# Allegro board 1155001-Timing_board_V3_20241024_1805_pcb.brd (continued)
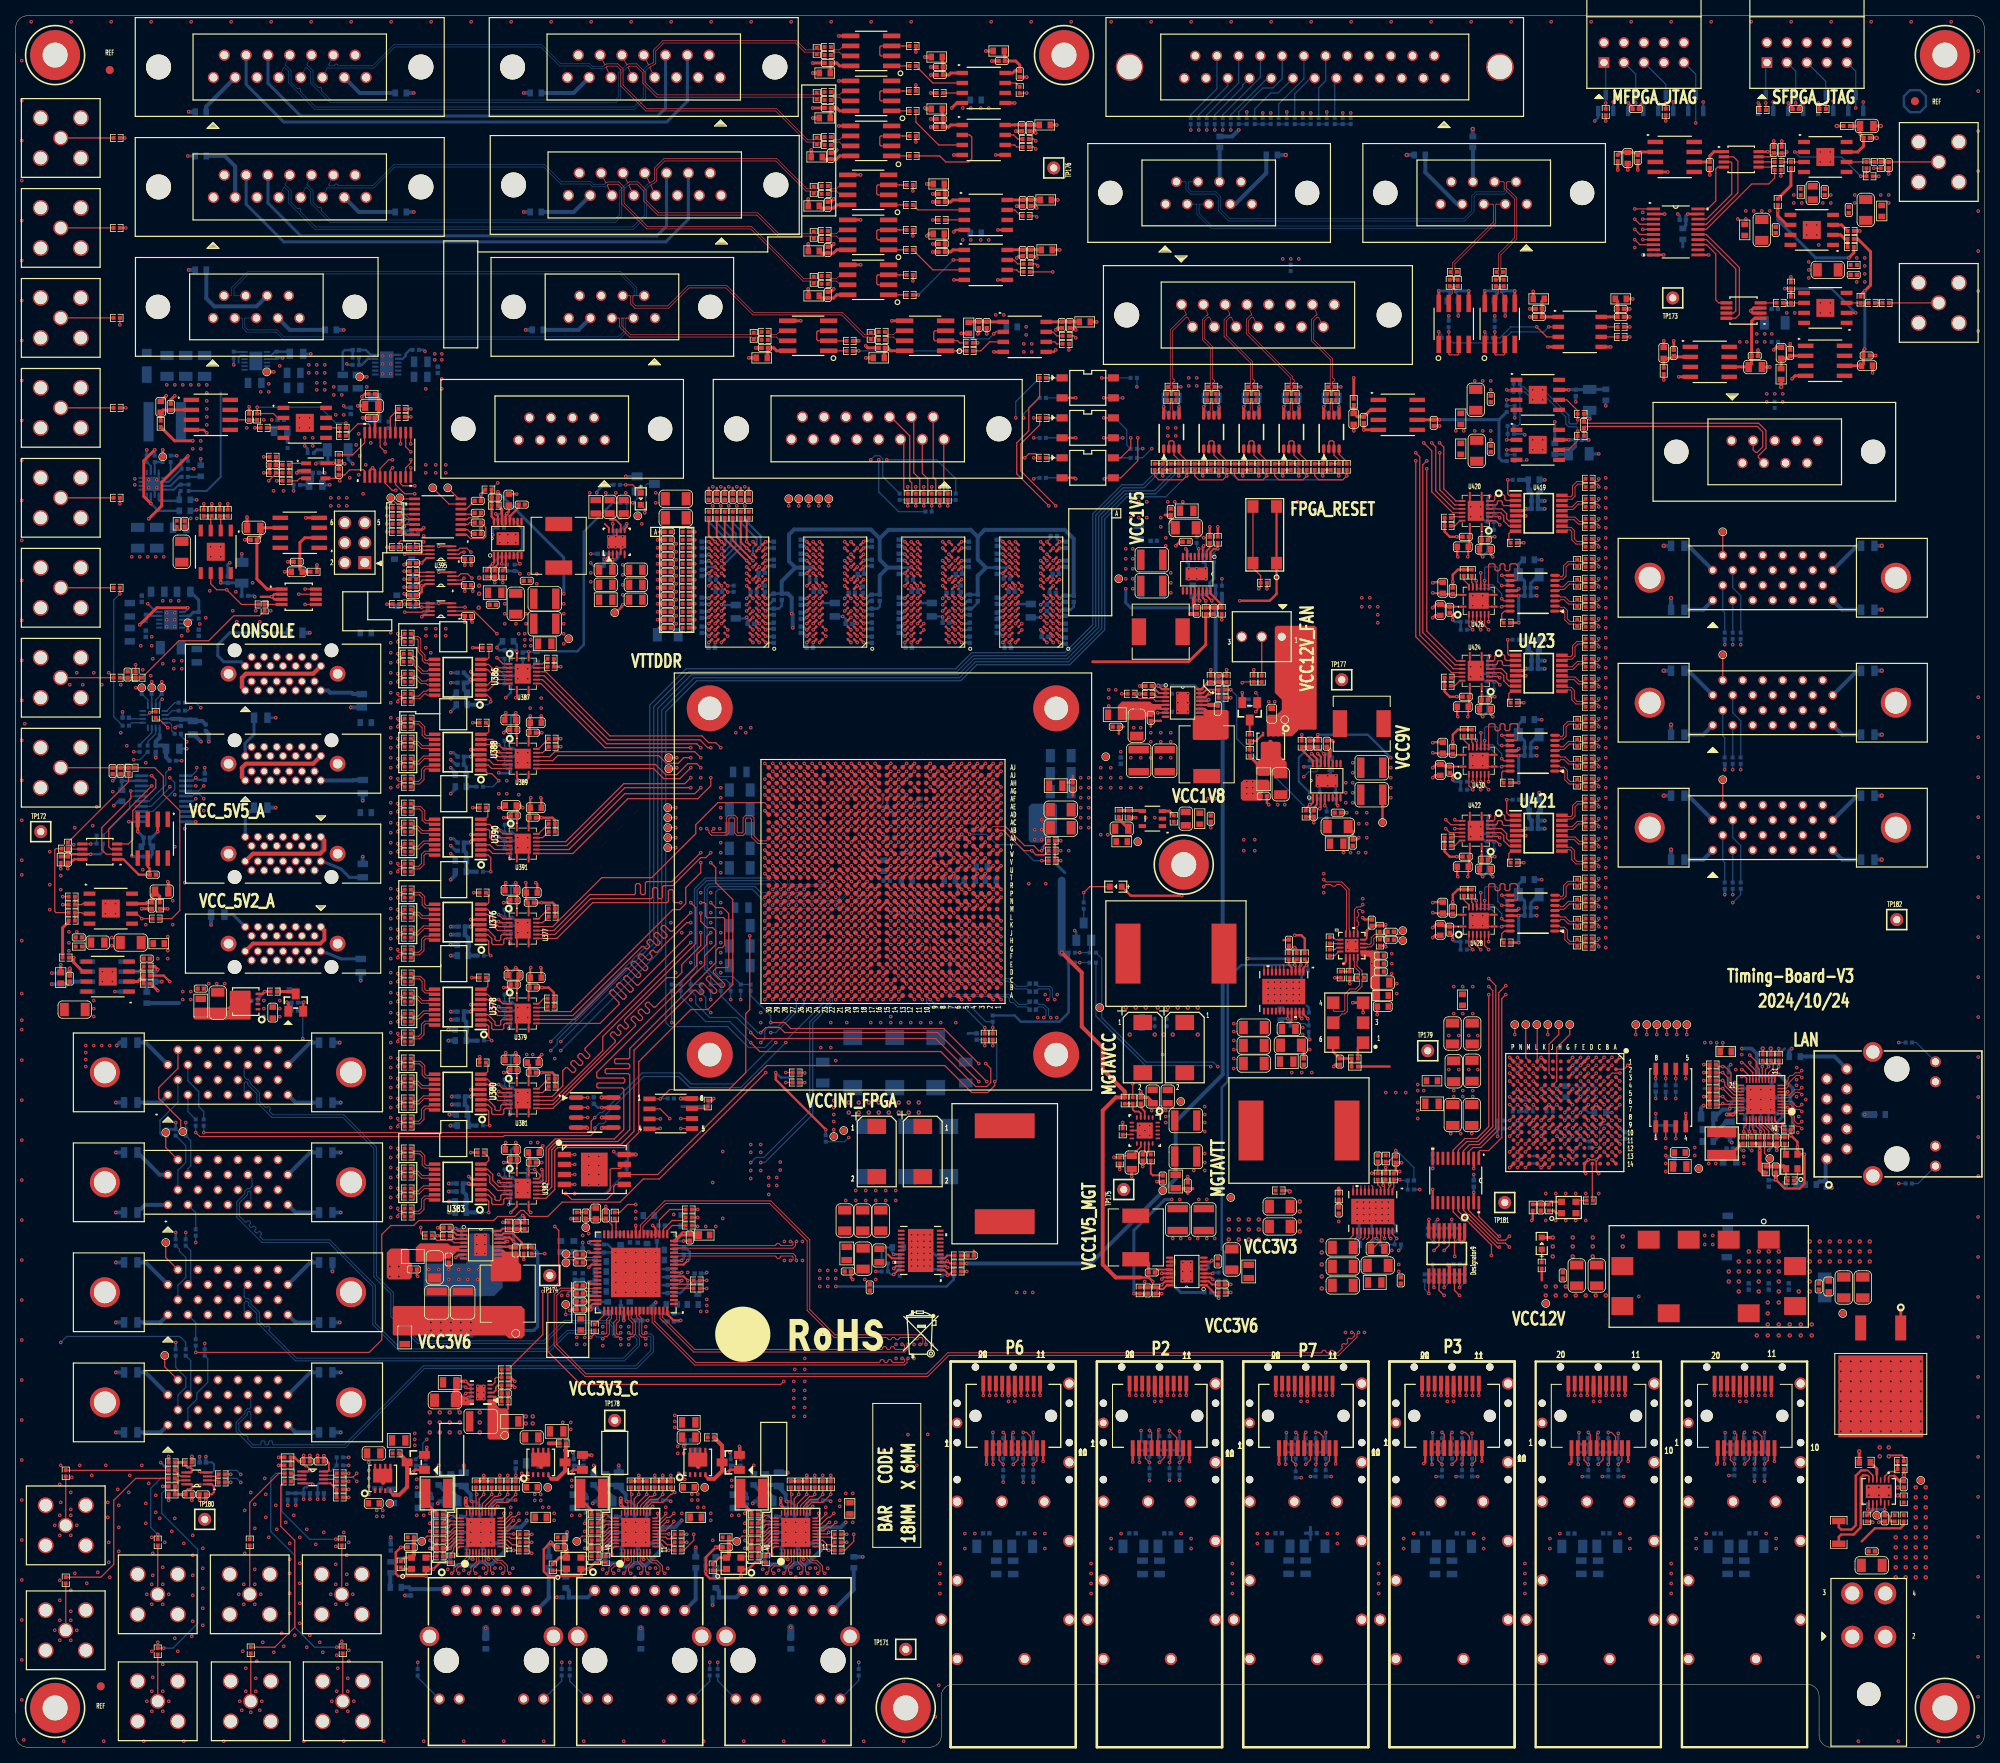
[diagram p0: board, top side]
## Routing (per net, layer and track width the routed paths; a pad name or vN(x,y) marks a point on that pad's centre or on a via; arc(x,y) is an arc through that point) (continued)
FPGA_CONFIG_CSI_B: length 267.9
  TOP w0.157: U247.V26 v1(99.14,113) ; U88.F1 v1(198.72,87.64)
  ART03 w0.102: 94.64,110.81 94.76,110.81 95,110.58 98.28,110.58 98.68,110.98 98.68,112.54 v1(99.14,113)
  ART03 w0.117: 94.64,110.81 94.48,110.81 92.76,112.53 92.76,113.64 91.9,114.5 91.9,120.32 89.46,122.76 84.82,122.76 81.89,125.69 81.89,137.04 82.67,137.83 82.67,153.41 83.26,154 83.26,155.43 86.43,158.6 134.01,158.6 137.29,155.32 144.27,155.32 144.98,154.61 156.23,154.61 156.35,154.73 156.35,157.11 156.46,157.23 156.7,157.23 156.81,157.11 156.81,154.73 156.93,154.61 157.16,154.61 157.28,154.73 157.28,157.62 157.4,157.73 169.95,157.73 170.4,157.29 170.56,157.29 171.21,157.94 171.38,157.94 171.54,157.77 171.54,157.6 170.89,156.96 170.89,156.79 171.09,156.59 171.26,156.59 172.41,157.75 172.58,157.75 172.75,157.58 172.75,157.42 171.59,156.26 171.59,156.1 171.76,155.93 171.92,155.93 173.08,157.09 173.24,157.09 173.41,156.92 173.41,156.76 172.25,155.6 172.25,155.43 172.42,155.27 172.58,155.27 173.74,156.42 173.9,156.42 174.07,156.26 174.07,156.09 172.91,154.94 172.91,154.77 177.75,149.93 177.92,149.93 179.06,151.07 179.23,151.07 179.39,150.91 179.39,150.74 178.25,149.6 178.25,149.44 178.42,149.27 178.58,149.27 179.72,150.41 179.89,150.41 180.05,150.25 180.05,150.08 178.91,148.94 178.91,148.77 179.08,148.61 179.24,148.61 180.39,149.75 180.55,149.75 180.73,149.57 180.73,149.41 180.03,148.71 180.03,148.54 182.91,145.67 188.34,145.67 188.59,145.41 189.89,145.41 190.73,144.58 192.1,144.58 195.5,141.17 195.5,94.18 198.72,90.96 v1(198.72,87.64)
FPGA_CONFIG_D0: length 278.9
  TOP w0.157: U88.B6 v1(201.72,82.64) ; v1(93.34,90.81) 94.11,90.04 116.84,90.04 v1(122.3,84.58)
  ART03 w0.117: v1(122.3,84.58) 122.94,85.22 126.24,85.22 126.92,84.53 134.15,84.53 134.34,84.34 134.34,81.52 134.46,81.41 134.63,81.41 134.75,81.52 134.75,86.88 134.87,87 135.1,87 135.22,86.88 135.22,81.52 135.34,81.41 135.58,81.41 135.7,81.52 135.7,86.88 135.82,87 136.05,87 136.17,86.88 136.17,81.52 136.28,81.41 136.52,81.41 136.63,81.52 136.63,86.88 136.75,87 136.98,87 137.1,86.88 137.1,81.52 137.22,81.41 137.45,81.41 137.57,81.52 137.57,86.88 137.71,87.02 152.6,87.02 152.72,87.14 152.72,89.04 152.84,89.15 153.07,89.15 153.19,89.04 153.19,87.14 153.31,87.02 153.54,87.02 153.66,87.14 153.66,89.29 153.77,89.41 154.01,89.41 154.12,89.29 154.12,87.14 154.24,87.02 155.12,87.02 155.23,86.9 155.23,85.94 155.35,85.83 155.58,85.83 155.7,85.94 155.7,89.9 155.82,90.02 156.05,90.02 156.17,89.9 156.17,85.94 156.28,85.83 156.52,85.83 156.63,85.94 156.63,89.9 156.75,90.02 156.98,90.02 157.1,89.9 157.1,85.94 157.22,85.83 157.45,85.83 157.57,85.94 157.57,89.9 157.69,90.02 157.92,90.02 158.04,89.9 158.04,85.94 158.15,85.83 158.39,85.83 158.5,85.94 158.5,89.9 158.62,90.02 158.85,90.02 158.97,89.9 158.97,85.94 159.09,85.83 159.32,85.83 159.44,85.94 159.44,89.9 159.55,90.02 159.79,90.02 159.91,89.9 159.91,85.94 160.02,85.83 160.26,85.83 160.37,85.94 160.37,89.9 160.49,90.02 160.72,90.02 160.84,89.9 160.84,86.55 160.96,86.44 161.19,86.44 161.31,86.55 161.31,89.9 161.42,90.02 161.66,90.02 161.77,89.9 161.77,86.86 161.89,86.74 162.14,86.74 162.26,86.86 162.26,89.49 162.37,89.61 162.61,89.61 162.72,89.49 162.72,86.86 162.84,86.74 163.07,86.74 163.19,86.86 163.19,88.76 163.31,88.87 163.54,88.87 163.66,88.76 163.66,86.86 163.78,86.74 164.06,86.74 164.17,86.86 164.17,88.07 164.29,88.19 164.52,88.19 164.64,88.07 164.64,86.86 164.76,86.74 165.31,86.74 165.43,86.62 165.43,86.45 165.54,86.33 165.78,86.33 165.9,86.45 165.9,86.9 166.01,87.02 166.25,87.02 166.36,86.9 166.36,86.22 166.48,86.11 166.71,86.11 166.83,86.22 166.83,86.9 166.95,87.02 167.68,87.02 167.83,86.88 167.83,86.12 167.94,86 168.15,86 168.29,86.15 168.29,86.88 168.41,87 168.64,87 168.76,86.88 168.76,86.12 168.88,86 169.09,86 169.23,86.15 169.23,86.88 169.34,87 169.58,87 169.7,86.88 169.7,86.12 169.81,86 170.02,86 170.16,86.15 170.16,86.88 170.28,87 170.51,87 170.63,86.88 170.63,86.12 170.75,86 170.96,86 171.1,86.15 171.1,86.88 171.21,87 171.56,87 171.67,86.88 171.67,85.89 171.79,85.78 172.02,85.78 172.14,85.89 172.14,86.88 172.26,87 172.49,87 172.61,86.88 172.61,85.16 172.73,85.04 172.96,85.04 173.08,85.16 173.08,86.88 173.19,87 173.43,87 173.54,86.88 173.54,85.16 173.66,85.04 173.89,85.04 174.01,85.16 174.01,86.88 174.13,87 174.36,87 174.48,86.88 174.48,85.16 174.6,85.04 174.83,85.04 174.95,85.16 174.95,86.88 175.06,87 175.3,87 175.41,86.88 175.41,85.16 175.53,85.04 175.76,85.04 175.88,85.16 175.88,86.88 176,87 176.23,87 176.35,86.88 176.35,85.16 176.47,85.04 176.7,85.04 176.82,85.16 176.82,86.88 176.93,87 177.17,87 177.28,86.88 177.28,85.16 177.4,85.04 177.63,85.04 177.75,85.16 177.75,86.88 177.87,87 178.05,87 178.23,86.82 178.23,85.14 178.33,85.04 178.57,85.04 178.69,85.16 178.69,85.89 178.8,86 179.04,86 179.15,85.89 179.15,85.16 179.27,85.04 180.01,85.04 180.61,84.44 185.95,84.44 189.23,81.15 197.99,81.15 199.03,82.19 201.27,82.19 v1(201.72,82.64)
  BOTTOM w0.157: R503.2 86.36,95.48 86.36,94.49 88.14,92.71 91.57,92.71 93.34,90.93 v1(93.34,90.81)
FPGA_CONFIG_D0_R: length 30.8
  TOP w0.157: U247.P24 v1(101.14,108)
  BOTTOM w0.102: 94.64,110.11 96.27,110.11 96.53,109.84 96.53,109.04 97.18,108.4 99.82,108.4 99.85,108.43 100.71,108.43 v1(101.14,108)
  BOTTOM w0.157: R504.1 R503.1 85.72,97.79 86.54,98.6 86.54,108.89 87.76,110.11 94.64,110.11
FPGA_CONFIG_D1: length 278.5
  TOP w0.157: U88.D3 v1(200.72,85.64) ; v1(93.34,89.53) 94.49,88.39 117.47,88.39 121.92,83.95 123.32,83.95 123.83,84.45 123.83,86.23 v1(123.19,86.87)
  ART03 w0.117: v1(200.72,85.64) 200.72,85.41 200.28,84.96 200.28,84.45 199.96,84.13 197.42,84.13 196.47,83.19 188.82,83.19 188.47,83.54 188.47,92.14 188.35,92.25 188.02,92.25 187.9,92.14 187.9,91.05 187.78,90.93 187.55,90.93 187.43,91.05 187.43,92.14 187.32,92.25 187.08,92.25 186.97,92.14 186.97,91.05 186.85,90.93 186.62,90.93 186.5,91.05 186.5,92.14 186.38,92.25 186.12,92.25 186,92.14 186,91.02 185.88,90.91 185.67,90.91 185.53,91.05 185.53,92.14 185.42,92.25 185.18,92.25 185.06,92.14 185.06,91.02 184.95,90.91 184.74,90.91 184.6,91.05 184.6,92.14 184.48,92.25 184.25,92.25 184.13,92.14 184.13,91.02 184.01,90.91 183.81,90.91 183.66,91.05 183.66,92.14 183.55,92.25 183.31,92.25 183.2,92.14 183.2,91 183.08,90.88 182.84,90.88 182.73,91 182.73,92.14 182.61,92.25 182.38,92.25 182.26,92.14 182.26,91.02 182.14,90.91 181.91,90.91 181.79,91.02 181.79,92.14 181.68,92.25 181.29,92.25 181.17,92.14 181.17,90.04 181.29,89.92 185.86,89.92 185.98,89.8 185.98,89.57 185.86,89.45 181.32,89.45 181.17,89.31 181.17,89.1 181.29,88.98 185.86,88.98 185.98,88.87 185.98,88.63 185.86,88.52 181.32,88.52 181.17,88.37 181.17,88.17 181.29,88.05 185.86,88.05 185.98,87.93 185.98,87.7 185.86,87.58 181.32,87.58 181.17,87.44 181.17,87.21 181.29,87.09 185.84,87.09 185.95,86.97 185.95,86.74 185.84,86.62 180.7,86.62 180.58,86.74 180.58,92.16 180.46,92.28 180.23,92.28 180.11,92.16 180.11,89.98 180,89.87 179.76,89.87 179.64,89.98 179.64,92.16 179.53,92.28 179.26,92.28 179.15,92.16 179.15,90.08 179.03,89.97 178.8,89.97 178.68,90.08 178.68,92.16 178.56,92.28 178.28,92.28 178.16,92.16 178.16,88.05 178.04,87.93 177.81,87.93 177.69,88.05 177.69,92.16 177.58,92.28 177.37,92.28 177.25,92.16 177.25,88.03 177.13,87.91 176.9,87.91 176.78,88.03 176.78,92.16 176.66,92.28 176.43,92.28 176.31,92.16 176.31,88.03 176.2,87.91 175.96,87.91 175.85,88.03 175.85,92.16 175.73,92.28 175.5,92.28 175.38,92.16 175.38,88.03 175.26,87.91 175.03,87.91 174.91,88.03 174.91,92.16 174.79,92.28 174.56,92.28 174.44,92.16 174.44,88.03 174.33,87.91 174.09,87.91 173.98,88.03 173.98,92.16 173.86,92.28 173.63,92.28 173.51,92.16 173.51,88.03 173.39,87.91 173.16,87.91 173.04,88.03 173.04,92.16 172.93,92.28 172.69,92.28 172.57,92.16 172.57,88.03 172.46,87.91 166.09,87.91 165.96,88.04 165.96,90.63 165.58,91.01 163.12,91.01 162.74,91.39 129.62,91.39 128.35,90.12 125.4,90.12 125.29,90 125.29,89.14 125.17,89.03 124.94,89.03 124.82,89.14 124.82,90 124.7,90.12 122.6,90.12 122.48,90 122.48,88.72 122.6,88.6 124.32,88.6 124.43,88.48 124.43,88.25 124.32,88.13 122.6,88.13 122.48,88.01 122.48,87.58 v1(123.19,86.87)
  BOTTOM w0.157: R505.2 84.45,95.38 87.63,92.2 90.68,92.2 v1(93.34,89.53)
FPGA_CONFIG_D1_R: length 30.4
  TOP w0.157: U247.R25 v1(100.14,109)
  BOTTOM w0.102: v1(100.14,109) 99.74,108.6 97.97,108.6 97.74,108.83 97.74,109.27 96.57,110.44 94.64,110.44
  BOTTOM w0.157: R506.1 R505.1 84.45,97.16 86.2,98.9 86.2,109.06 87.58,110.44 94.64,110.44
FPGA_CONFIG_D2: length 278.6
  TOP w0.157: v1(122.3,86.87) 117.86,91.31 98.42,91.31 97.66,92.08 v1(95.89,92.08) ; U88.C3 v1(200.72,84.65)
  ART03 w0.117: v1(122.3,86.87) 122.3,85.71 122.42,85.6 122.68,85.6 122.8,85.71 122.8,86.32 122.91,86.44 123.15,86.44 123.26,86.32 123.26,85.71 123.38,85.6 123.61,85.6 123.73,85.71 123.73,86.88 123.85,87 124.08,87 124.2,86.88 124.2,85.71 124.32,85.6 124.55,85.6 124.67,85.71 124.67,87.82 124.78,87.93 125.02,87.93 125.13,87.82 125.13,85.71 125.25,85.6 125.48,85.6 125.6,85.71 125.6,88.76 125.72,88.87 125.95,88.87 126.07,88.76 126.07,85.71 126.18,85.6 126.49,85.6 126.61,85.71 126.61,89.6 126.72,89.71 126.96,89.71 127.07,89.6 127.07,85.21 127.19,85.09 127.42,85.09 127.54,85.21 127.54,89.6 127.66,89.71 127.89,89.71 128.01,89.6 128.01,85.08 128.12,84.96 128.36,84.96 128.47,85.08 128.47,89.6 128.59,89.71 128.82,89.71 128.94,89.6 128.94,85.08 129.06,84.96 134.16,84.96 134.34,85.14 134.34,87 134.82,87.48 135.44,87.48 135.56,87.59 135.56,87.89 135.44,88.01 134.69,88.01 134.57,88.13 134.57,88.36 134.69,88.48 135.44,88.48 135.56,88.6 135.56,88.83 135.44,88.95 134.69,88.95 134.57,89.06 134.57,89.3 134.69,89.41 135.44,89.41 135.56,89.53 135.56,89.76 135.44,89.88 134.69,89.88 134.57,90 134.57,90.79 134.69,90.91 135.91,90.91 136.03,90.79 136.03,87.59 136.15,87.48 136.38,87.48 136.5,87.59 136.5,90.79 136.61,90.91 136.85,90.91 136.96,90.79 136.96,87.59 137.08,87.48 137.31,87.48 137.43,87.59 137.43,90.79 137.55,90.91 137.81,90.91 137.92,90.79 137.92,87.59 138.04,87.48 138.27,87.48 138.39,87.59 138.39,90.87 138.51,90.98 138.74,90.98 138.86,90.87 138.86,87.59 138.98,87.48 139.21,87.48 139.33,87.59 139.33,90.87 139.44,90.98 139.68,90.98 139.79,90.87 139.79,87.59 139.91,87.48 140.14,87.48 140.26,87.59 140.26,90.87 140.38,90.98 140.61,90.98 140.73,90.87 140.73,87.59 140.85,87.48 141.08,87.48 141.2,87.59 141.2,89.77 141.31,89.89 141.55,89.89 141.66,89.77 141.66,87.59 141.78,87.48 142.01,87.48 142.13,87.59 142.13,90.82 142.25,90.93 142.48,90.93 142.6,90.82 142.6,87.59 142.71,87.48 142.95,87.48 143.06,87.59 143.06,90.82 143.18,90.93 143.42,90.93 143.53,90.82 143.53,87.59 143.65,87.48 143.88,87.48 144,87.59 144,90.08 144.12,90.2 144.35,90.2 144.47,90.08 144.47,87.59 144.58,87.48 144.82,87.48 144.93,87.59 144.93,89.95 145.05,90.07 145.25,90.07 145.37,89.95 145.37,88.59 145.48,88.47 145.72,88.47 145.83,88.59 145.83,89.95 145.95,90.07 146.13,90.07 146.25,89.95 146.25,87.52 146.37,87.4 146.6,87.4 146.72,87.52 146.72,89.95 146.83,90.07 147.07,90.07 147.18,89.95 147.18,87.52 147.3,87.4 147.53,87.4 147.65,87.52 147.65,90.87 147.77,90.98 147.98,90.98 148.12,90.84 148.12,87.52 148.24,87.4 148.47,87.4 148.59,87.52 148.59,90.87 148.7,90.98 148.91,90.98 149.05,90.84 149.05,87.52 149.17,87.4 149.4,87.4 149.52,87.52 149.52,90.03 149.64,90.14 149.87,90.14 149.99,90.03 149.99,87.52 150.1,87.4 150.34,87.4 150.46,87.52 150.46,90.13 150.57,90.25 150.81,90.25 150.92,90.13 150.92,87.52 151.04,87.4 151.27,87.4 151.39,87.52 151.39,90.87 151.51,90.98 151.74,90.98 151.86,90.87 151.86,87.52 151.97,87.4 152.21,87.4 152.32,87.52 152.32,90.28 152.44,90.4 162.33,90.4 163.45,89.28 165.48,89.28 165.58,89.18 165.58,87.71 165.76,87.53 178.06,87.53 180.77,84.82 186.07,84.82 188.72,82.17 196.85,82.17 197.87,83.19 200.03,83.19 200.28,83.44 200.28,83.82 200.72,84.26 v1(200.72,84.65)
  BOTTOM w0.157: v1(95.89,92.08) 95.89,92.96 93.34,95.5 R509.2
FPGA_CONFIG_D2_R: length 35.9
  TOP w0.254: v1(106.14,109) U247.R20
  BOTTOM w0.102: v1(106.14,109) 106.14,108.86 104.54,107.26 104.54,106.83 104.25,106.55 96.01,106.55 95.74,106.83 95.74,107.09 95.43,107.4 95.17,107.4 94.64,107.93
  BOTTOM w0.157: R509.1 R510.1 91.08,97.92 89.41,97.92 88.9,98.42 88.9,108.66 89.26,109.02 93.55,109.02 94.64,107.93
FPGA_CONFIG_D3: length 278.5
  TOP w0.157: v1(94.61,90.81) 95.25,91.44 97.03,91.44 97.66,90.81 117.09,90.81 v1(123.32,84.58) ; U88.A4 203.22,84.14 v1(203.72,83.64)
  ART03 w0.117: v1(203.72,83.64) 203.2,83.12 203.2,82.42 202.95,82.17 202.44,82.17 202.18,81.92 202.18,81.41 200.91,80.14 189.74,80.14 185.81,84.06 180.48,84.06 179.88,84.66 172.31,84.66 171.35,85.62 165.58,85.62 164.85,86.36 161.65,86.36 160.73,85.45 153.81,85.45 153.7,85.56 153.7,86.5 153.58,86.61 153.33,86.61 153.21,86.5 153.21,84.72 153.1,84.61 152.86,84.61 152.75,84.72 152.75,85.91 152.63,86.03 152.4,86.03 152.28,85.91 152.28,84.72 152.16,84.61 151.93,84.61 151.81,84.72 151.81,85.91 151.7,86.03 151.46,86.03 151.34,85.91 151.34,84.72 151.23,84.61 150.99,84.61 150.88,84.72 150.88,86.52 150.76,86.64 150.53,86.64 150.41,86.52 150.41,84.72 150.29,84.61 150.06,84.61 149.94,84.72 149.94,86.52 149.83,86.64 149.59,86.64 149.48,86.52 149.48,84.72 149.36,84.61 149.12,84.61 149.01,84.72 149.01,86.52 148.89,86.64 148.66,86.64 148.54,86.52 148.54,84.72 148.42,84.61 148.19,84.61 148.07,84.72 148.07,86.52 147.96,86.64 147.72,86.64 147.61,86.52 147.61,84.72 147.49,84.61 147.26,84.61 147.14,84.72 147.14,86.52 147.02,86.64 146.81,86.64 146.67,86.5 146.67,84.72 146.55,84.61 146.32,84.61 146.2,84.72 146.2,86.52 146.09,86.64 145.88,86.64 145.74,86.5 145.74,84.72 145.62,84.61 145.39,84.61 145.27,84.72 145.27,86.5 145.15,86.61 144.94,86.61 144.8,86.47 144.8,84.72 144.69,84.61 144.45,84.61 144.33,84.72 144.33,86.5 144.22,86.61 144.01,86.61 143.87,86.47 143.87,84.72 143.75,84.61 143.52,84.61 143.4,84.72 143.4,86.5 143.28,86.61 141.8,86.61 141.68,86.5 141.68,86 141.8,85.89 142.81,85.89 142.93,85.77 142.93,85.54 142.81,85.42 141.8,85.42 141.68,85.3 141.68,85.07 141.8,84.95 142.28,84.95 142.39,84.84 142.39,83.82 142.32,83.74 141.79,83.74 141.67,83.63 141.67,82.92 141.79,82.8 143.52,82.8 143.64,82.69 143.64,82.45 143.52,82.34 141.79,82.34 141.67,82.22 141.67,81.98 141.79,81.87 142.89,81.87 143,81.75 143,81.52 142.89,81.4 141.79,81.4 141.67,81.28 141.67,81.12 141.55,81 141.32,81 141.2,81.12 141.2,86.5 141.09,86.61 140.88,86.61 140.74,86.47 140.74,81.12 140.62,81 140.38,81 140.27,81.12 140.27,86.5 140.15,86.61 139.92,86.61 139.8,86.5 139.8,81.12 139.68,81 139.45,81 139.33,81.12 139.33,86.5 139.22,86.61 138.98,86.61 138.87,86.5 138.87,81.12 138.75,81 138.52,81 138.4,81.12 138.4,86.5 138.28,86.61 138.05,86.61 137.93,86.5 137.93,81.12 137.81,81 133.79,81 133.68,81.12 133.68,83.98 133.56,84.1 133.33,84.1 133.21,83.98 133.21,81.14 133.07,81 132.86,81 132.74,81.12 132.74,83.98 132.62,84.1 132.39,84.1 132.27,83.98 132.27,81.98 132.16,81.86 131.92,81.86 131.81,81.98 131.81,83.98 131.69,84.1 131.46,84.1 131.34,83.98 131.34,81.98 131.22,81.86 130.99,81.86 130.87,81.98 130.87,83.98 130.76,84.1 130.52,84.1 130.4,83.98 130.4,81.98 130.29,81.86 130.05,81.86 129.94,81.98 129.94,83.98 129.82,84.1 129.59,84.1 129.47,83.98 129.47,81.98 129.35,81.86 129.05,81.86 128.93,81.98 128.93,84.03 128.81,84.15 128.58,84.15 128.46,84.03 128.46,81.98 128.34,81.86 128.11,81.86 127.99,81.98 127.99,84.03 127.88,84.15 127.64,84.15 127.53,84.03 127.53,81.98 127.41,81.86 127.18,81.86 127.06,81.98 127.06,84.03 126.94,84.15 126.71,84.15 126.59,84.03 126.59,81.98 126.48,81.86 126.24,81.86 126.12,81.98 126.12,84.72 126.01,84.84 125.77,84.84 125.66,84.72 125.66,81.98 125.54,81.86 125.31,81.86 125.19,81.98 125.19,84.39 125.07,84.51 124.84,84.51 124.72,84.39 124.72,81.98 124.61,81.86 124.37,81.86 124.26,81.98 124.26,84.03 124.14,84.15 123.9,84.15 123.79,84.03 123.79,81.98 123.67,81.86 123.43,81.86 123.32,81.98 v1(123.32,84.58)
  BOTTOM w0.157: R511.2 89.53,95.5 94.23,90.81 v1(94.61,90.81)
FPGA_CONFIG_D3_R: length 35.8
  TOP w0.157: U247.R21 v1(104.14,110)
  BOTTOM w0.102: 94.64,109.69 95.42,109.69 95.74,109.37 95.74,108.73 95.89,108.58 96.25,108.58 96.54,108.3 96.54,107.95 96.88,107.6 104.3,107.6 104.65,107.95 104.65,109.47 104.14,109.98 v1(104.14,110)
  BOTTOM w0.157: R511.1 R512.1 88.27,98.08 87.47,98.87 87.47,109.15 88.01,109.69 94.64,109.69
FPGA_CONFIG_D4: length 273.1
  TOP w0.157: v1(203.72,84.64) 203.22,85.14 U88.A3 ; U247.T20 v1(106.14,110)
  ART03 w0.102: 94.61,105.4 101.21,105.4 101.74,105.93 101.74,109.17 101.97,109.4 105.54,109.4 v1(106.14,110)
  ART03 w0.117: v1(203.72,84.64) 203.9,84.64 205.61,86.36 205.61,89.66 199.97,95.3 199.97,145.39 191.01,154.36 186.03,154.36 176.99,163.4 112.11,163.4 111.09,162.38 105.9,162.38 105.52,162.76 83.46,162.76 78.94,158.24 78.94,157.05 78.49,156.59 78.49,154.81 78.23,154.56 78.23,121.16 83.36,116.03 84.12,116.03 84.33,115.82 84.33,113.92 88.39,109.86 88.57,109.86 93.03,105.4 94.61,105.4
FPGA_CONFIG_D5: length 274
  TOP w0.157: v1(203.74,85.66) 202.74,85.66 U88.B3
  TOP w0.254: U247.T21 v1(105.14,110)
  ART03 w0.102: v1(105.14,110) 104.74,109.6 101.89,109.6 101.54,109.25 101.54,106.74 101.22,106.43 100.84,106.43 100.71,106.3 100.71,105.86 100.46,105.6 94.97,105.6 94.64,105.94
  ART03 w0.117: 94.64,105.94 94.53,106.05 92.89,106.05 88.7,110.24 88.52,110.24 84.71,114.05 84.71,115.95 84.25,116.41 83.49,116.41 78.61,121.28 78.61,154.43 78.87,154.69 78.87,156.41 79.35,156.9 79.35,158.22 83.59,162.46 105.4,162.46 105.78,162.08 111.22,162.08 112.24,163.09 176.63,163.09 176.79,162.93 176.79,162.77 176.17,162.15 176.17,161.98 176.33,161.82 176.5,161.82 177.12,162.44 177.29,162.44 177.45,162.27 177.45,162.11 176.83,161.49 176.83,161.32 177,161.15 177.16,161.15 177.78,161.78 177.95,161.78 186.41,153.31 189.79,153.31 192.86,150.24 194.26,150.24 199.57,144.94 199.57,95.2 205.23,89.54 205.23,86.49 204.41,85.66 v1(203.74,85.66)
FPGA_CONFIG_D6: length 274
  TOP w0.157: U88.A2 204.24,86.15 v1(204.74,86.64)
  TOP w0.254: v1(104.14,111) U247.T22
  ART03 w0.102: 94.64,106.42 94.66,106.4 100.3,106.4 100.58,106.68 100.58,107.32 100.74,107.47 100.74,110.1 100.92,110.29 101.78,110.29 101.98,110.49 102.23,110.49 102.62,110.87 102.62,111.14 102.87,111.4 103.74,111.4 v1(104.14,111)
  ART03 w0.117: 94.64,106.42 93.05,106.42 87.5,111.96 87.5,112.52 85.09,114.94 85.09,116.46 84.25,117.3 83.36,117.3 78.97,121.69 78.97,154.31 80.39,155.73 80.39,157.86 84.69,162.16 105.27,162.16 105.65,161.78 111.34,161.78 112.36,162.79 140.84,162.79 140.96,162.68 140.96,162.3 141.08,162.18 141.31,162.18 141.43,162.3 141.43,162.68 141.54,162.79 141.82,162.79 141.94,162.68 141.94,162.3 142.05,162.18 142.29,162.18 142.4,162.3 142.4,162.68 142.52,162.79 174.72,162.79 177.02,160.49 177.19,160.49 177.86,161.17 178.03,161.17 178.19,161 178.19,160.83 177.52,160.16 177.52,160 177.68,159.83 177.85,159.83 178.52,160.5 178.69,160.5 178.85,160.34 178.85,160.17 178.18,159.5 178.18,159.33 178.35,159.17 178.51,159.17 179.18,159.84 179.35,159.84 179.52,159.68 179.52,159.51 178.84,158.84 178.84,158.67 179.01,158.51 179.17,158.51 179.85,159.18 180.01,159.18 186.28,152.91 189.62,152.91 192.7,149.83 194.09,149.83 199.16,144.77 199.16,95.1 204.77,89.49 204.77,86.68 v1(204.74,86.64)
FPGA_CONFIG_D7: length 271.7
  TOP w0.157: U88.B5 v1(202.72,83.64) ; U247.T23 v1(102.14,111)
  ART03 w0.102: 94.64,106.83 94.87,106.6 99.36,106.6 99.62,106.86 99.62,107.24 99.82,107.44 100.28,107.44 100.54,107.7 100.54,110.19 100.84,110.49 101.63,110.49 v1(102.14,111)
  ART03 w0.117: v1(202.72,83.64) 203.2,84.12 203.2,85.85 204.43,87.08 204.43,89.32 198.75,95 198.75,144.6 193.93,149.43 192.53,149.43 189.45,152.5 186.13,152.5 182.84,155.79 182.67,155.79 182.19,155.31 182.03,155.31 181.86,155.48 181.86,155.64 182.34,156.13 182.34,156.29 182.18,156.46 182.01,156.46 181.29,155.73 181.12,155.73 180.96,155.9 180.96,156.06 181.68,156.79 181.68,156.95 181.52,157.12 181.35,157.12 180.63,156.39 180.46,156.39 180.3,156.56 180.3,156.72 181.02,157.45 181.02,157.61 180.85,157.78 180.69,157.78 179.97,157.05 179.8,157.05 179.63,157.22 179.63,157.39 180.36,158.11 180.36,158.27 180.19,158.44 180.03,158.44 179.3,157.72 179.14,157.72 174.35,162.5 143.39,162.5 142.69,161.8 140.97,161.8 140.27,162.5 112.48,162.5 111.47,161.48 105.53,161.48 105.15,161.87 86.05,161.87 80.72,156.54 80.72,155.63 79.32,154.23 79.32,123.24 85.47,117.09 85.47,115.82 88.7,112.6 88.7,111.33 93.19,106.83 94.64,106.83
FPGA_CONFIG_D8: length 275.8
  TOP w0.157: U88.A5 v1(202.72,82.65) ; U247.U20 v1(105.14,112)
  ART03 w0.102: v1(105.14,112) 104.74,111.6 102.62,111.6 102.54,111.53
  ART03 w0.117: 102.54,111.53 102.52,111.51 99.95,111.51 99.64,111.2 99.64,107.77 99.31,107.44 93.85,107.44 89.08,112.22 89.08,112.75 88.71,113.12 88.71,113.86 88.39,114.17 87.76,114.17 85.85,116.08 85.85,118.11 79.68,124.28 79.68,154.15 81.03,155.5 81.03,156.41 86.18,161.57 105.03,161.57 105.41,161.19 111.59,161.19 112.2,161.8 138.43,161.8 139.19,161.04 139.74,161.04 139.86,161.15 139.86,161.68 139.97,161.8 140.21,161.8 140.32,161.68 140.32,161.15 140.44,161.04 143.23,161.04 143.35,161.15 143.35,161.94 143.46,162.05 143.7,162.05 143.81,161.94 143.81,161.15 143.93,161.04 144.16,161.04 144.28,161.15 144.28,161.94 144.4,162.05 174.22,162.05 181.96,154.31 182.12,154.31 182.87,155.06 183.04,155.06 183.2,154.9 183.2,154.73 182.39,153.92 182.39,153.75 183.03,153.11 183.2,153.11 184.01,153.92 184.18,153.92 184.39,153.71 184.39,153.55 183.6,152.76 183.6,152.59 183.77,152.43 183.93,152.43 184.72,153.22 184.88,153.22 185.05,153.05 185.05,152.88 184.63,152.47 184.63,152.3 184.8,152.14 184.96,152.14 185.38,152.55 185.54,152.55 185.98,152.12 189.3,152.12 192.37,149.05 193.77,149.05 198.35,144.47 198.35,94.89 204.14,89.11 204.14,87.35 202.31,85.52 202.31,83.06 v1(202.72,82.65)
FPGA_CONFIG_D9: length 261.5
  TOP w0.157: U88.B2 v1(202.72,86.64) ; U247.P29 v1(96.14,108)
  ART03 w0.117: v1(96.14,108) 95.66,108.47 93.35,108.47 89.97,111.86 89.97,112.57 89.1,113.44 89.1,114.05 88.6,114.55 87.98,114.55 86.44,116.1 86.44,118.16 80,124.6 80,154.04 81.41,155.45 81.41,156.34 86.35,161.28 104.91,161.28 105.29,160.9 112.13,160.9 112.65,161.42 119.38,161.42 120.14,160.66 173,160.66 173.7,159.96 173.86,159.96 174.74,160.83 174.9,160.83 175.07,160.67 175.07,160.5 174.19,159.63 174.19,159.46 174.36,159.3 174.52,159.3 175.4,160.17 175.56,160.17 175.73,160.01 175.73,159.84 174.85,158.97 174.85,158.8 175.02,158.64 175.18,158.64 176.06,159.51 176.23,159.51 176.39,159.35 176.39,159.18 175.52,158.3 175.52,158.14 175.68,157.97 175.85,157.97 176.72,158.85 176.89,158.85 177.05,158.68 177.05,158.52 176.18,157.64 176.18,157.48 176.34,157.31 176.51,157.31 177.38,158.19 177.55,158.19 177.71,158.02 177.71,157.86 176.84,156.98 176.84,156.82 177,156.65 177.17,156.65 178.04,157.53 178.21,157.53 178.38,157.36 178.38,157.2 177.5,156.32 177.5,156.16 177.66,155.99 177.83,155.99 178.63,156.79 178.8,156.79 183.87,151.71 189.13,151.71 192.2,148.64 193.6,148.64 197.94,144.3 197.94,94.79 203.21,89.52 203.21,87.52 202.72,87.03 v1(202.72,86.64)
FPGA_CONFIG_D10: length 262.6
  TOP w0.157: U88.B1 v1(202.72,87.64) ; U247.R29 v1(96.14,109)
  ART03 w0.117: v1(202.72,87.64) 202.72,89.5 197.54,94.69 197.54,144.16 193.46,148.23 192.11,148.23 189.51,150.83 182.25,150.83 182.12,150.95 182.12,151.11 182.95,151.94 182.95,152.1 182.78,152.27 182.62,152.27 181.79,151.44 181.63,151.44 181.46,151.61 181.46,151.77 182.29,152.6 182.29,152.76 182.12,152.93 181.96,152.93 181.13,152.1 180.97,152.1 180.8,152.27 180.8,152.43 181.63,153.26 181.63,153.42 181.46,153.59 181.3,153.59 180.47,152.76 180.31,152.76 180.14,152.93 180.14,153.1 180.97,153.92 180.97,154.09 180.8,154.25 180.63,154.25 179.81,153.43 179.64,153.43 179.48,153.59 179.48,153.76 180.3,154.58 180.3,154.75 180.14,154.91 179.97,154.91 179.15,154.09 178.98,154.09 178.82,154.25 178.82,154.42 179.64,155.24 179.64,155.41 179.48,155.57 179.31,155.57 178.49,154.75 178.32,154.75 178.16,154.91 178.16,155.08 178.98,155.9 178.98,156.07 178.82,156.24 178.65,156.24 177.82,155.41 177.66,155.41 172.8,160.27 137.99,160.27 137.87,160.16 137.87,158.87 137.75,158.75 137.52,158.75 137.4,158.87 137.4,160.16 137.29,160.27 120.01,160.27 119.25,161.04 112.78,161.04 112.34,160.6 105.16,160.6 104.78,160.98 86.56,160.98 81.71,156.13 81.71,155.32 80.3,153.91 80.3,124.81 84.96,120.14 86.61,120.14 89.99,116.76 89.99,113.11 90.35,112.75 90.35,112.06 93.41,109 v1(96.14,109)
FPGA_CONFIG_D11: length 265.4
  TOP w0.157: U247.P27 v1(98.14,108) ; U88.C5 v1(201.72,83.64)
  ART03 w0.102: v1(98.14,108) 97.66,108.48 97.66,109.22 97.19,109.69 94.64,109.69
  ART03 w0.117: 94.64,109.69 94.47,109.86 93.7,109.86 91.29,112.27 91.29,112.95 90.75,113.49 90.75,118.8 88.69,120.86 85.27,120.86 80.89,125.25 80.89,153.63 82.34,155.09 82.34,155.85 86.06,159.56 134.7,159.56 137.06,157.2 144.13,157.2 144.24,157.32 144.24,159.4 144.36,159.51 144.59,159.51 144.71,159.4 144.71,157.32 144.83,157.2 145.06,157.2 145.18,157.32 145.18,159.4 145.29,159.51 145.57,159.51 145.69,159.4 145.69,158.99 145.8,158.88 146.04,158.88 146.15,158.99 146.15,159.4 146.27,159.51 146.5,159.51 146.62,159.4 146.62,158.99 146.74,158.88 146.97,158.88 147.09,158.99 147.09,159.4 147.2,159.51 147.44,159.51 147.55,159.4 147.55,158.99 147.67,158.88 147.9,158.88 148.02,158.99 148.02,159.4 148.14,159.51 148.37,159.51 148.49,159.4 148.49,158.99 148.61,158.88 148.84,158.88 148.96,158.99 148.96,159.4 149.07,159.51 149.31,159.51 149.42,159.4 149.42,157.34 149.54,157.23 149.77,157.23 149.89,157.34 149.89,159.4 150.01,159.51 150.24,159.51 150.36,159.4 150.36,157.34 150.48,157.23 150.71,157.23 150.83,157.34 150.83,159.4 150.94,159.51 172.47,159.51 181.91,150.06 189.15,150.06 192.41,146.81 193.27,146.81 196.72,143.36 196.72,94.49 201.31,89.9 201.31,84.47 201.72,84.06 v1(201.72,83.64)